# KiCad board PC110.kicad_pcb (continued)
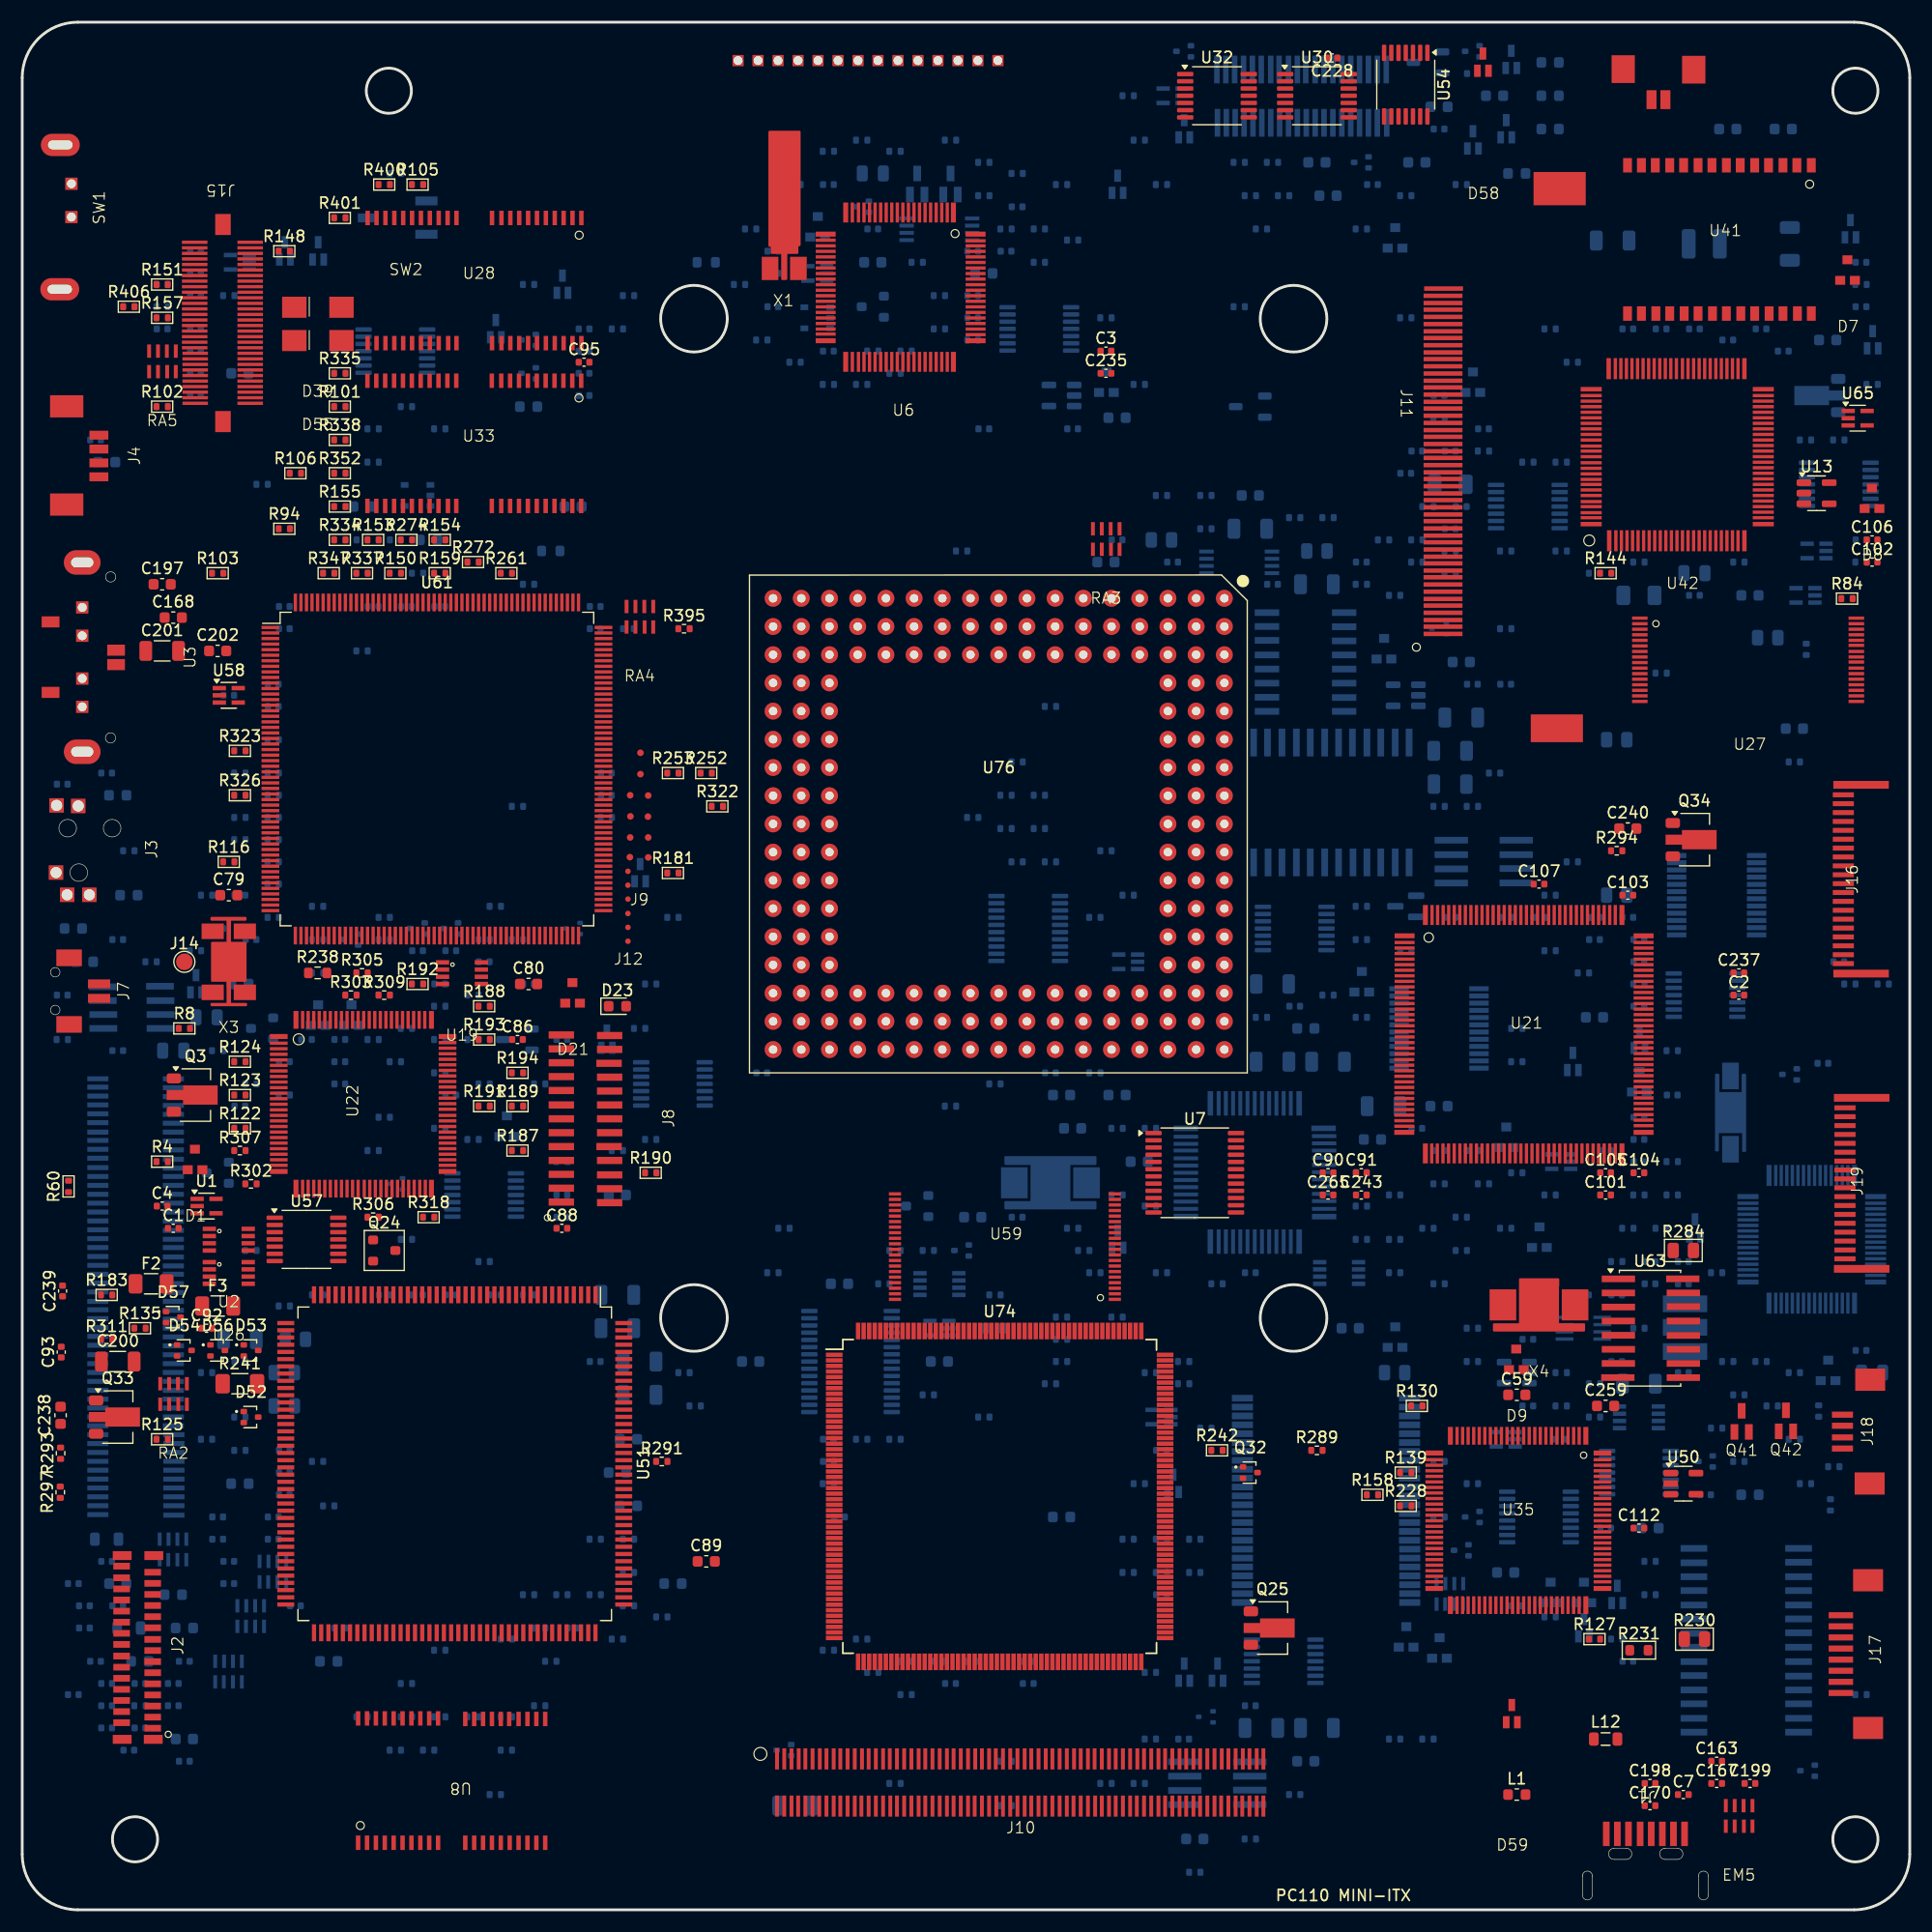
[diagram p0: board, top side]
## Nets (continued)
RAM_A10: J15.16 R151.2 R345.1 U28.17 U33.17
RAM_A11: J15.15 R157.1 R335.1 U28.16 U33.16
RAM_ID0: J15.60 R158.1 U35.31
RAM_ID1: J15.31 R148.1 U35.32
RAMWE#: J15.50 R154.1 U28.14 U33.14
RESET: D18.1 D18.3 R110.1 U22.55 U51.159 U66.11 U74.7
RIOUT#: U39.6 U74.133
RTCBAT: C70.2 C80.1 C82.1 D21.2 R116.2 R119.2 R248.2 U19.8 U61.69
SA0: J11.39 U7.11 U21.55 U22.26 U35.8 U42.35 U59.21 U61.12 U74.161
SA1: J11.37 U4.42 U21.56 U22.27 U35.9 U36.13 U42.34 U59.20 U61.13 U74.162
SA2: J11.35 U4.43 U21.57 U22.28 U35.10 U36.12 U42.33 U59.19 U67.7 U74.164
SA3: U4.45 U21.58 U22.29 U35.11 U36.11 U59.18 U74.165
SA4: U4.46 U21.59 U22.30 U35.12 U36.10 U59.17 U74.167
SA5: U4.47 U21.60 U22.31 U35.15 U36.9 U59.16 U74.168
SA6: U4.48 U21.61 U22.32 U35.16 U36.8 U59.15 U74.169
SA7: U4.49 U21.62 U22.39 U35.17 U36.7 U59.14 U74.171
SA8: U4.50 U21.63 U22.40 U35.18 U36.6 U59.8 U74.173
SA9: U4.51 U21.65 U22.41 U35.19 U36.44 U59.7 U74.175
SA10: U21.66 U35.20 U36.43 U59.36 U74.176
SA11: U21.67 U35.21 U36.42 U59.6 U74.178
SA12: U21.68 U35.22 U36.41 U37.1 U59.5 U74.179
SA13: U21.69 U37.2 U59.4 U74.181
SA14: U21.70 U35.24 U59.3 U74.182
SA15: U21.71 U35.25 U59.2 U74.183
SD0: J11.41 R375.1 U21.96 U22.46 U35.33 U36.17 U42.22 U49.3 U59.25 U61.35 U67.3 U74.189
SD1: J11.43 R374.1 U21.95 U22.47 U35.34 U36.19 U42.21 U49.4 U59.26 U61.36 U67.2 U74.190
SD2: J11.45 R376.1 U21.94 U22.48 U35.35 U36.21 U42.19 U49.5 U59.27 U61.37 U67.1 U74.193
SD3: J11.3 R373.1 U21.93 U22.49 U35.36 U36.23 U42.18 U49.6 U59.28 U61.38 U67.64 U74.194
SD4: J11.5 R378.1 U21.92 U22.51 U35.39 U36.26 U42.17 U49.7 U59.32 U61.39 U67.63 U74.196
SD5: J11.7 R377.1 U21.91 U22.52 U35.40 U36.28 U42.16 U49.8 U59.33 U61.40 U67.62 U74.197
SD6: J11.9 R381.1 U21.89 U22.53 U35.41 U36.30 U42.14 U49.9 U59.34 U61.41 U67.61 U74.199
SD7: R380.1 U21.88 U22.54 U35.42 U36.32 U49.10 U59.35 U61.42 U67.60 U74.200
SD8: J11.44 U36.18 U42.9 U61.44 U74.143
SD9: J11.46 U36.20 U42.8 U61.45 U74.142
SD10: J11.48 U36.22 U42.7 U61.46 U74.141
SD11: J11.4 U36.24 U42.6 U61.47 U74.139
SD12: J11.6 U36.27 U42.4 U61.48 U74.137
SD13: J11.8 U36.29 U42.3 U61.49 U74.136
SD14: J11.10 U36.31 U42.2 U61.50 U74.135
SD15: J11.12 U36.33 U42.1 U61.51 U74.134
U8_1A3_KB_TP139: R283.2 U73.6
U8_2A1_KB_RXD: R38.2 U73.11
U21_97: R330.1 U21.97
U21_98: R355.2 U21.98
U21_101: R328.2 U21.101
U21_102: R339.1 U21.102
U21_103: R336.2 U21.103
U21_104: R351.2 U21.104
U21_105: R331.1 U21.105
U21_131: J5.27 U21.131
U21_139: D60.1 D60.2 R349.1 U21.139
U30_D0: R90.2 U30.2 U35.1
U53_2CLK: R82.1 U30.3 U35.3 U40.11
U54_1PRE#: U29.4 U54.4
U61_RAM_LCASL#: R272.1 U61.182
U61_RAM_LCASU#: R274.1 U61.184
U61_RAM_RAMWE#: R154.2 U61.180
U61_RAM_RAS0: R101.2 U61.203
U61_RAM_RAS2: R103.2 U61.201
U61_RAM_RAS3: R106.2 U61.200
U61_RAM_UCASL#: R159.2 U61.181
U61_RAM_UCASU#: R261.1 U61.183
U61_RTCBAT_470K: Q26.3 R248.1 U61.71
U71_OR1_IN2: U7.19 U71.2
U106_1CLK: R80.2 U6.11 U32.3
UNKNOWN1: U7.4 U61.60
UNKNOWN2: U7.5 U61.59
VGA_ADDHI: U21.124 U51.6
VGA_Blue: D54.3 J13.65 R264.1 U51.43
VGA_CLK: R350.1 U51.155
VGA_Green: D53.3 J13.67 R273.1 U51.44
VGA_HSync: D56.3 J13.36 R53.1
VGA_Red: D52.3 J13.69 R267.1 U51.46
VGA_VSync: D57.3 J13.33 R46.1
YellowWire1_2: Q15.1 R181.1
YMF_CLK: R353.2 U18.3
YMF_CS#_Buf: U4.14 U34.2 U64.12 U66.2
YMF_RD#_Buf: U34.5 U71.12 U72.18
YMF_SA0_A0: U4.41 U7.14 U34.12
YMF_VSS_Res: Q14.3 R119.1 U61.62
YMF_WR#_Buf: U34.9 U71.9 U72.17
Net-(C1--): C1.2 U2.1 U3.1
Net-(C4-+): C4.1 D1.1 D1.3 R4.1 U1.2
Net-(C7-+): C7.1 J1.7 L1.2
Net-(C10-+): C10.1 C23.1 L7.1
Net-(C10--): C10.2 C23.2 C154.2 R227.2 U47.1
Net-(C11-+): C11.1 C50.2 R72.1 U11.7
Net-(C12-+): C12.1 U4.1
Net-(C12--): C12.2 C24.2 U4.2
Net-(C13-+): C13.1 U48.6
Net-(C13--): C13.2 R217.2 R218.2 U47.3
Net-(C15--): C15.2 R25.2 R26.2 R32.2 R34.2 R35.2 U47.6
Net-(C18--): C18.2 R34.1
Net-(C20--): C20.2 C21.2 U4.8
Net-(C21-+): C21.1 U4.7
Net-(C22-+): C22.1 U4.10
Net-(C25-+): C25.1 Q6.3 R36.2
Net-(C30--): C30.2 C36.2 C48.1 L3.2 U51.158
Net-(C46-+): C46.1 Q3.3 R76.1
Net-(C46--): C46.2 Q4.2 R76.2
Net-(C47-+): C47.1 L4.1 Q5.3
Net-(C49--): C49.2 Q3.2 R68.2
Net-(C60-Pad1): C60.1 C63.2
Net-(C65-+): C65.1 C67.1
Net-(C85-+): C85.1 R24.1 R121.1 U12.4
Net-(C85--): C85.2 J7.2 R121.2 U12.5
Net-(C89--): C89.2 J8.18
Net-(C92--): C92.2 F3.1 J13.16 L12.1 RA2.1 RA2.2 RA2.3 RA2.4
Net-(C129-+): C129.1 C272.1 F4.2 J11.25 J11.26
Net-(C135-+): C135.1 D35.1 D35.3 R200.1 U75.16
Net-(C147-+): C147.1 U48.1
Net-(C147--): C15.1 C147.2 R25.1 U47.7
Net-(C150-+): C150.1 U4.4
Net-(C150--): C150.2 R221.1 R225.1
Net-(C153-Pad1): C153.1 R37.2 R217.1
Net-(C154-+): C154.1 R220.1 R227.1 U47.2
Net-(C160--): C160.2 C166.1 R224.1 U4.11
Net-(C162-+): C162.1 R222.2 R225.2
Net-(C163--): C163.2 EM5.3 J1.6
Net-(C164-Pad2): C164.2 R220.2
Net-(C167--): C167.2 EM5.4 J1.2
Net-(C168--): C168.2 U3.3
Net-(C170-+): C170.1 EM5.1 J1.5
Net-(C171-+): C171.1 J2.6 L16.1
Net-(C176-+): C176.1 C188.1 J2.4 L9.1 R234.2
Net-(C177--): C177.2 J2.27 L18.1
Net-(C189--): C189.2 J2.2 L14.1
Net-(C192-+): C192.1 J2.26 L11.2
Net-(C193-+): C193.1 J2.5 R234.1
Net-(C195--): C195.2 J2.29 L17.2
Net-(C197--): C197.2 U3.5
Net-(C198-+): C198.1 J1.4 L12.2
Net-(C199-+): C199.1 EM5.2 J1.3
Net-(C200--): C200.2 R241.1 U3.8
Net-(C201-+): C201.1 C202.2 R238.1 U3.6
Net-(C206--): C45.1 C206.2 C210.2 L6.1 U51.157
Net-(C207-+): C207.1 R71.2
Net-(C213-Pad2): C213.2 C214.2 R250.1
Net-(C224--): C224.2 D47.1 R281.1 U55.2
Net-(C225-+): C225.1 D45.3 D46.3 D49.3 Q30.1 R276.2
Net-(C225--): C29.2 C225.2 Q30.2
Net-(C227--): C227.2 D9.2 Q31.3 R79.1 R275.1 R284.1 U63.10 U63.16
Net-(C228-+): C228.1 Q30.3 R282.1 U54.1
Net-(C229--): C229.2 R235.1 U54.13
Net-(C230--): C230.2 C257.2 U63.2 X4.2
Net-(C232--): C232.2 C258.2 C259.2 C260.2 R284.2 U63.4 U63.13
Net-(C233-+): C233.1 Q29.1 U53.5
Net-(C234--): C234.2 Q29.2 R285.1 U53.2
Net-(C238-+): C238.1 Q33.1 R293.1 R297.2
Net-(C238--): C93.1 C238.2 C239.2 J13.13 J13.88 J13.89 Q33.2
Net-(C240-+): C240.1 Q34.1 R294.2
Net-(C240--): C240.2 F3.2 Q34.2
Net-(C245--): C245.2 D22.2 F1.1 Q5.1
Net-(C246-+): C246.1 D20.1 Q36.3 R327.1 U59.11
Net-(C257-+): C257.1 C261.1 U63.3 X4.1
Net-(C264--): C264.2 U67.22 X5.2
Net-(C266-Pad1): C266.1 C269.2
Net-(C266-Pad2): C266.2 R362.2
Net-(C268--): C268.2 U67.23 X5.1
Net-(C270-Pad1): C270.1 U64.11
Net-(C281--): C281.2 U75.26 X6.1
Net-(C283-+): C283.1 U75.27 X6.2
Net-(D1-K): D1.2 R4.2 U2.3
Net-(D2-A): D2.2 R3.1
Net-(D2-common): D2.3 Q2.1 R12.1
Net-(D2-K): D2.1 R12.2 U51.48
Net-(D3-K): D3.2 U5.6
Net-(D5-K): D5.2 Q6.2 R71.1 R74.1 R78.2
Net-(D7-K): D7.3 L4.2 Q4.3
Net-(D10-A): D10.2 D13.1
Net-(D10-K): C58.2 D10.1 U14.5 U15.5
Net-(D14-Pad2): D14.2 R93.1
Net-(D15-Pad2): D15.2 R95.1
Net-(D16-K): D16.2 U14.4
Net-(D17-Pad2): D17.2 U39.3
Net-(D17-Pad3): D17.3 R254.2
Net-(D18-K): D18.2 U14.2 U15.4
Net-(D19-Pad1): D19.1 D19.2 R112.2 U24.2
Net-(D21-A-Pad3): D21.3 R31.1
Net-(D22-A-Pad1): D22.1 D22.3 R313.2
Net-(D23-K): D21.1 D23.1 R308.1
Net-(D24-K): D24.2 R132.2 R136.2 R137.2 R141.2
Net-(D25-K): D25.2 R133.2 R138.2 R140.1 R142.2 R143.1
Net-(D32-A): D32.2 R129.1
Net-(D32-common): D32.3 Q18.1 R180.1
Net-(D33-Pad3): D33.3 R114.2
Net-(D36-K): D36.1 L14.2 R236.2
Net-(D38-A): D38.2 Q21.3
Net-(D38-K): D38.1 R232.2
Net-(D39-A): D39.2 D55.2 J13.46 J13.48
Net-(D41-K): D41.1 R260.1 R266.2 R271.2 U50.2
Net-(D42-Pad1): D42.1 D42.2 D43.1 D43.2 R287.1 U52.2
Net-(D42-Pad3): D42.3 U5.4
Net-(D43-Pad3): D43.3 U5.2
Net-(D44-A): D44.2 D45.1
Net-(D46-Pad2): D46.2 R286.1
Net-(D48-A): D45.2 D48.2
Net-(D50-A): D49.1 D50.2
Net-(D51-A): D49.2 D51.2
Net-(D58-K): D58.1 R308.2
Net-(J1-GND-Pad1): J1.1 R231.2
Net-(J1-GND-Pad8): J1.8 R230.2
Net-(J2-Pin_1): J2.1 J2.7 J2.16 J2.25 J2.28 J2.30 L10.1
Net-(J3-G): J3.3 L2.2
Net-(J3-MO): C148.2 J3.5 L8.2
Net-(J3-SI): C165.1 J3.2 L7.2
Net-(J3-SO): C159.2 J3.1 L5.1
Net-(J5-Pin_17): J5.17 U54.2 U54.6
Net-(J6-Pin_1): F1.2 J6.1
Net-(J7-Pin_1): J7.1 U12.8
Net-(J8-DRT1#): J8.6 U64.8
Net-(J8-RTS1#): J8.9 U64.6
Net-(J8-TXD1): J8.11 U64.3
Net-(J11-CE1#): J11.13 R361.1 R366.1 U42.37
Net-(J11-CE2#): J11.14 R360.1 R367.1 U42.39
Net-(J11-CSEL#): J11.28 R145.2
Net-(J11-IOR#): J11.18 R295.1 R301.2
Net-(J11-IOW#): J11.20 R290.2 R299.1
Net-(J13-FDD_DRATE0): J13.96 U57.3
Net-(J13-FDD_DRATE1): J13.3 U57.11
Net-(J13-Modem_ADCK#): J8.21 J13.59
Net-(J13-Modem_IRQ1#): J8.20 J13.60
Net-(J13-Modem_RSRVD1): J8.24 J13.42
Net-(J13-Modem_RSRVD2): J8.23 J13.41
Net-(J13-Modem_S11): J8.22 J13.58
Net-(J13-Modem_VPDA#): J8.19 J13.52
Net-(J13-RXD2): J13.18 R135.1 U26.5
Net-(J13-TXD2): J13.19 U26.6
Net-(J15-RAS2): J15.11 R102.2 R103.1
Net-(J15-RAS3): J15.49 R94.2 R106.1
Net-(L5--): C16.1 L5.2 R24.2
Net-(L8-+): L8.1 R30.1
Net-(L9--): L9.2 Q1.3 R3.2 R236.1
Net-(L11-+): L11.1 R14.2
Net-(L13-+): L13.1 R221.2
Net-(L15--): L15.2 Q20.3 R239.1 R240.1
Net-(L17-+): L17.1 R20.2
Net-(L18--): L18.2 R17.2
Net-(Q1-B): Q1.1 R9.2
Net-(Q2-C): Q2.3 R9.1
Net-(Q5-B): Q5.2 R111.1
Net-(Q7-B): Q7.1 R87.1
Net-(Q7-C): C98.1 Q7.3 R146.2 U30.13
Net-(Q9-B): Q9.1 R107.1
Net-(Q9-C): Q9.3 R99.1
Net-(Q9-E): D14.1 Q9.2
Net-(Q10-B): Q10.1 R97.1
Net-(Q10-C): Q10.3 R100.1
Net-(Q10-E): D15.1 Q10.2
Net-(Q11-B): Q11.1 R93.2 R99.2
Net-(Q12-B): Q12.1 R85.2
Net-(Q13-B): Q13.1 R95.2 R100.2
Net-(Q14-B): Q14.1 R114.1
Net-(Q15-C): Q15.3 R111.2
Net-(Q16-B): Q16.1 R185.2
Net-(Q17-B): Q17.3 U6.39
Net-(Q18-C): Q18.3 R185.1
Net-(Q19-B): Q19.1 R399.1
Net-(Q19-C): Q19.3 R410.2
Net-(Q20-B): Q20.1 R232.1
Net-(Q21-B): Q21.1 Q23.1 R237.2
Net-(Q22-B): Q22.2 Q23.3 R240.2
Net-(Q22-C): Q22.3 R239.2
Net-(Q24-C): Q24.3 R238.2
Net-(Q25-B): Q25.1 R242.1
Net-(Q25-C): Q25.2 R241.2
Net-(Q26-B): Q26.1 R254.1
Net-(Q27-B): Q27.1 R262.2
Net-(Q28-B): Q28.1 R260.2 U50.1
Net-(Q31-B): Q31.1 U66.13
Net-(Q32-B): Q32.1 R289.2
Net-(Q32-C): Q32.3 R291.1
Net-(Q33-E): F2.1 Q33.3 R293.2
Net-(Q35-B): Q35.1 R321.2
Net-(Q35-C): Q35.3 R320.1
Net-(Q36-B): Q36.1 R320.2
Net-(Q37-B): Q37.1 R368.1
Net-(Q38-B): C277.2 Q38.1 R382.2
Net-(Q38-C): Q38.3 R216.2 U35.45 U38.1
Net-(Q39-C): Q39.2 R388.2
Net-(Q40-C): Q40.2 R386.2
Net-(Q43-B): Q43.1 R392.1
Net-(Q43-C): Q43.3 R412.2
Net-(Q44-B): Q44.1 R398.1
Net-(Q44-C): Q44.3 R409.2
Net-(R67-Pad1): R67.1 R73.2 U11.1
Net-(R268-Pad2): R268.2 U52.4
Net-(R289-Pad1): R289.1 U20.2
Net-(R291-Pad2): R291.2 R297.1
Net-(R321-Pad1): R321.1 U60.4
Net-(R332-Pad1): R332.1 R340.1 U62.8
Net-(R341-Pad2): R341.2 R348.2 U62.6
Net-(R344-Pad1): R344.1 R353.1 U62.11
Net-(R350-Pad2): R350.2 U62.3
Net-(R357-Pad1): R357.1 U62.2 U62.5 U62.12
Net-(R358-Pad1): R358.1 U62.9
Net-(R368-Pad2): R368.2 U65.4
Net-(R370-Pad2): R370.2 U66.10
Net-(RA1-R1.1): D26.1 D26.3 RA1.1 U35.69
Net-(RA1-R2.1): D28.1 D28.3 RA1.2 U35.68
Net-(RA1-R3.1): D27.1 D27.3 RA1.3 U35.71
Net-(RA1-R4.1): D29.1 D29.3 RA1.4 U35.70
Net-(RA3-R1.1): RA3.1 U76.A5
Net-(RA3-R2.1): RA3.2 U76.H3
Net-(RA3-R3.1): RA3.3 U76.F1
Net-(RA3-R4.1): RA3.4 U76.N3
Net-(RA4-R1.1): RA4.1 U76.S2
Net-(RA4-R2.1): RA4.2 U76.S1
Net-(RA4-R3.1): RA4.3 U76.R1
Net-(RA4-R4.1): RA4.4 U76.P2
Net-(SW1-B): R277.1 R280.1 SW1.2
Net-(SW2-B): R382.1 R383.2 SW2.2
Net-(U1-Pad4): U1.4 U2.2
Net-(U2-Pad7): U2.7 U57.9
Net-(U3-IRDA_TXD): R8.2 U3.7
Net-(U4-CMR): C152.1 C155.2 C161.1 R226.1 U4.6
Net-(U4-IOR): U4.37 U71.11
Net-(U4-IOW): U4.38 U71.8
Net-(U4-REF): R23.1 U4.52
Net-(U4-RESET): U4.39 U20.5
Net-(U4-VCC_Bus): C213.1 U4.44 U49.24
Net-(U4-Xin): C52.1 R70.2 U4.34 X2.1
Net-(U4-Xout): C53.2 U4.35 X2.2
Net-(U6-P02): R336.1 U6.52
Net-(U6-P03): R339.2 U6.51
Net-(U6-P04): R328.1 U6.50
Net-(U6-P05): R354.1 U6.49
Net-(U6-P06): R355.1 U6.48
Net-(U6-P10): R413.2 U6.46
Net-(U6-P11): R167.2 U6.45
Net-(U6-P12): R407.1 U6.44
Net-(U6-P13): R390.2 U6.43
Net-(U6-P16): R86.2 U6.40
Net-(U6-P22): R89.2 U6.36
Net-(U6-P23): R283.1 U6.35
Net-(U6-P40): R42.2 U6.24
Net-(U6-P45): R38.1 U6.19
Net-(U6-P51): R39.1 U6.15
Net-(U6-P57): D60.3 U6.9
Net-(U6-SEG00): R331.2 U6.54
Net-(U6-SEG01): R351.1 U6.53
Net-(U6-SEG07): R330.2 U6.47
Net-(U6-VL1): R43.2 R63.2 U6.80
Net-(U6-VL2): R43.1 R62.1 U6.79
Net-(U6-VL3): R52.1 R62.2 U6.78
Net-(U6-Xin): C28.1 U6.28 X1.1
Net-(U6-Xout): R40.1 U6.29
Net-(U8-LCAS#): R58.2 U8.29
Net-(U8-RAS#): R21.1 U8.14
Net-(U8-UCAS#): R51.2 U8.28
Net-(U8-WE#): R16.1 U8.13
Net-(U10-AO): R77.1 U10.4 U34.11
Net-(U10-CS#): R244.2 U10.7 U34.3
Net-(U10-D0): R64.2 U4.23 U10.10 U49.22
Net-(U10-D1): R54.2 U4.24 U10.11 U49.21
Net-(U10-D2): R47.2 U4.25 U10.13 U49.20
Net-(U10-D3): R50.2 U4.28 U10.14 U49.19
Net-(U10-D4): R65.2 U4.29 U10.15 U49.18
Net-(U10-D5): R55.1 U4.30 U10.16 U49.17
Net-(U10-D6): R48.1 U4.31 U10.17 U49.16
Net-(U10-D7): R56.1 U4.32 U10.18 U49.15
Net-(U10-M): R92.2 U10.24
Net-(U10-MO): U10.21 U46.7
Net-(U10-RD#): R243.2 U10.6 U34.6
Net-(U10-SH): U10.20 U46.4
Net-(U10-SY): U10.23 U46.10
Net-(U10-WR#): R245.2 U10.5 U34.8
Net-(U11A-+): C214.1 R75.1 U11.3
Net-(U11A--): R67.2 U11.2 U46.16
Net-(U11B-+): C44.2 R69.2 U11.5
Net-(U11B--): R72.2 U11.6
Net-(U11C-V+): C157.1 C209.1 R256.1 U11.8 U46.1
Net-(U11C-V-): C157.2 C209.2 R250.2 U11.4 U46.12
Net-(U12-Bypass): C54.1 U12.2 U12.3
Net-(U12-~{SD}): C248.2 D40.3 R247.1 U12.1
Net-(U13-CD): C60.2 D8.3 U13.5
Net-(U13-OUT): R83.1 U13.1 U15.2
Net-(U13-VDD): C55.2 D8.1 D11.1 R84.1 U13.2
Net-(U16-CD): C59.1 D9.3 U16.5
Net-(U16-OUT): R91.1 U16.1 U63.9
Net-(U16-VDD): C56.1 D9.1 R79.2 U16.2
Net-(U17-CD): C57.2 D12.3 U17.5
Net-(U17-OUT): U17.1 U20.3
Net-(U18A-D): U18.2 U18.6 U18.11
Net-(U18B-D): R92.1 U18.8 U18.12
Net-(U20-Pad6): U20.6 U57.1 U57.13 U71.3
Net-(U21-Chipset_IO3): R149.1 U21.39
Net-(U21-CPUCLK): R257.1 U21.38
Net-(U21-PSU_IO2): R104.1 U21.138
Net-(U21-PWRGD_IN): U9.4 U21.141
Net-(U22-IOW#): U22.43 U25.4
Net-(U23-Pad4): U23.4 U25.1
Net-(U27-MA0): U27.20 U42.74
Net-(U27-MA1): U27.19 U42.75
Net-(U27-MA2): U27.18 U42.76
Net-(U27-MA3): U27.17 U42.77
Net-(U27-MA4): U27.16 U42.78
Net-(U27-MA5): U27.15 U42.79
Net-(U27-MA6): U27.14 U42.80
Net-(U27-MA7): U27.13 U42.81
Net-(U27-MA8): U27.3 U42.83
Net-(U27-MA9): U27.2 U42.84
Net-(U27-MA10): U27.31 U42.85
Net-(U27-MA11): U27.1 U42.86
Net-(U27-MA12): U27.12 U42.87
Net-(U27-MA13): U27.4 U42.89
Net-(U27-MA14): U27.5 U42.90
Net-(U27-MA15): U27.11 U42.91
Net-(U27-MD0): U27.21 U42.92
Net-(U27-MD1): U27.22 U42.93
Net-(U27-MD2): U27.23 U42.95
Net-(U27-MD3): U27.25 U42.96
Net-(U27-MD4): U27.26 U42.97
Net-(U27-MD5): U27.27 U42.98
Net-(U27-MD6): U27.28 U42.99
Net-(U27-MD7): U27.29 U42.100
Net-(U27-ROMCEL0#): U27.30 U42.71
Net-(U27-ROMOEL#): U27.32 U42.72
Net-(U27-ROMWEL#): R131.2 R134.1 U27.7 U42.73
Net-(U28-RAS#): R101.1 R105.2 U28.15 U33.15
Net-(U30A-~{Q}): R146.1 U30.6
Net-(U30B-C): U5.12 U30.11
Net-(U30B-Q): D17.1 U30.9 U32.11
Net-(U30B-~{Q}): U29.1 U30.8
Net-(U31-CD): C100.1 D34.3 U31.5
Net-(U31-VDD): C97.1 D34.1 R195.2 U31.2
Net-(U32A-Q): D30.3 U32.5
Net-(U32A-~{Q}): U29.2 U32.6
Net-(U32B-Q): D31.3 U32.9
Net-(U35-FF_2D): R186.1 U35.2 U40.12
Net-(U35-FF_2Q#): U35.90 U40.1 U45.12
Net-(U35-Pluto_55): R398.2 U35.55
Net-(U35-Pluto_56): R392.2 U35.56
Net-(U35-Pluto_57): R399.2 U35.57
Net-(U35-PNET7_SENSE): R304.1 U35.74
Net-(U35-SA13): U35.23 U37.4
Net-(U38-Pad5): U9.2 U38.5
Net-(U40A-C): U38.7 U39.2 U40.3
Net-(U40A-~{Q}): C125.2 U39.1 U40.6
Net-(U40B-~{Q}): U40.8 U45.11
Net-(U41-Cext2): C141.1 U41.20
Net-(U41-Cext3): C143.1 U41.21
Net-(U41-Cext4): C142.1 C144.2 U41.22
Net-(U41-Cext5): C141.2 C145.2 U41.23
Net-(U41-Cext6): C146.1 U41.24
Net-(U41-Cext7): C142.2 U41.25
Net-(U41-Cext8): C143.2 U41.26
Net-(U41-Cext9): C146.2 U41.27
Net-(U41-CS): U41.7 U42.55
Net-(U41-PD): U41.4 U42.57
Net-(U41-SCLK1): U41.5 U42.53
Net-(U41-SI0): U41.1 U42.59
Net-(U41-SI1): U41.2 U42.58
Net-(U41-SO0): U41.13 U42.62
Net-(U41-SO1): U41.17 U42.60
Net-(U42-C_EXT): R362.1 R371.2 U42.12
Net-(U42-IO0): U42.66 U65.1
Net-(U42-IORD): R296.2 R301.1 U42.42 U56.3
Net-(U42-IOWR): R290.1 R298.1 U42.43 U56.6
Net-(U42-RC_IN): R371.1 U42.11
Net-(U44A-+): R207.1 R210.1 U44.3
Net-(U44A--): C137.1 R211.1 R214.1 U44.2
Net-(U44B-+): R208.1 R209.1 U44.5
Net-(U44B--): C138.1 R212.1 R213.1 U44.6
Net-(U45A-A): U35.46 U35.78 U45.1
Net-(U45A-Cext): C130.2 U45.14
Net-(U45A-Q): D33.2 U45.13
Net-(U45A-RCext): C130.1 R182.2 U45.15
Net-(U45B-B): U39.7 U45.10
Net-(U45B-Q): D33.1 U45.5
Net-(U45B-RCext): C140.1 R215.1 U45.7
Net-(U46-RB): R75.2 U46.14
Net-(U46-toBUFF): R69.1 U46.2
Net-(U47B-+): C158.2 R27.1 R33.1 U47.5
Net-(U49-A8): R219.2 U49.11
Net-(U49-B8): R223.1 U49.14
Net-(U49-DIR): R364.2 R370.1 U49.2
Net-(U49-G#): C270.2 D3.1 D3.3 R258.2 U49.23
Net-(U51-CASAH#): R51.1 U51.112
Net-(U51-CASAL#): R58.1 U51.113
Net-(U51-CCLK): R255.2 U51.35
Net-(U51-FLM): R14.1 U51.53
Net-(U51-HSYNC): R53.2 U51.51
Net-(U51-IO0): R11.1 U8.2 U51.114
Net-(U51-IO1): R1.2 U8.3 U51.116
Net-(U51-IO2): R10.2 U8.4 U51.117
Net-(U51-IO3): R6.2 U8.5 U51.119
Net-(U51-IO4): R7.2 U8.7 U51.120
Net-(U51-IO5): R13.2 U8.8 U51.121
Net-(U51-IO6): R5.2 U8.9 U51.122
Net-(U51-IO7): R2.2 U8.10 U51.123
Net-(U51-IO8): R269.1 U8.31 U51.124
Net-(U51-IO9): R259.1 U8.32 U51.125
Net-(U51-IO10): R61.2 U8.33 U51.126
Net-(U51-IO11): R18.1 U8.34 U51.127
Net-(U51-IO12): R15.1 U8.36 U51.128
Net-(U51-IO13): R22.2 U8.37 U51.129
Net-(U51-IO14): R233.1 U8.38 U51.130
Net-(U51-IO15): R19.2 U8.39 U51.131
Net-(U51-LP): R17.1 U51.54
Net-(U51-OEL#): R263.1 U51.38
Net-(U51-P0): EM1.5 U51.57
Net-(U51-P1): EM1.6 U51.58
Net-(U51-P2): EM1.7 U51.60
Net-(U51-P3): EM1.8 U51.61
Net-(U51-P4): EM3.5 U51.63
Net-(U51-P5): EM3.6 U51.64
Net-(U51-P6): EM3.7 U51.65
Net-(U51-P7): EM3.8 U51.66
Net-(U51-P8): EM2.5 U51.67
Net-(U51-P9): EM2.6 U51.68
Net-(U51-P10): EM2.7 U51.69
Net-(U51-P11): EM2.8 U51.70
Net-(U51-P12): EM4.5 U51.71
Net-(U51-P13): EM4.6 U51.72
Net-(U51-P14): EM4.7 U51.73
Net-(U51-P15): EM4.8 U51.74
Net-(U51-RASA#): R21.2 U51.110
Net-(U51-RSET): R66.2 U51.41
Net-(U51-SA0): R265.1 U8.16 U51.100
Net-(U51-SA1): U8.17 U51.101
Net-(U51-SA2): U8.18 U51.102
Net-(U51-SA3): U8.19 U51.103
Net-(U51-SA4): U8.22 U51.104
Net-(U51-SA5): R270.1 U8.23 U51.105
Net-(U51-SA6): U8.24 U51.106
Net-(U51-SA7): U8.25 U51.107
Net-(U51-SA8): R279.1 U8.26 U51.108
Net-(U51-SHFCLK): R20.1 U51.56
Net-(U51-VSYNC): R46.2 U51.50
Net-(U51-WEA#): R16.2 U51.111
Net-(U54A-C): U5.10 U54.3
Net-(U54B-C): U5.8 U54.11
Net-(U54B-Q): R286.2 U54.9
Net-(U55-OUT): R278.1 U5.9 U55.1
Net-(U56-Pad2): U56.2 U56.5 U68.3
Net-(U59-RP#): D20.3 R113.2 U59.10
Net-(U59-WE#): U24.4 U59.9
Net-(U61-CPUCLK33): R251.2 U61.127
Net-(U61-IOR#): R326.1 U61.29
Net-(U61-IOW#): R318.2 U61.30
Net-(U61-MEMR#): R322.2 U61.18
Net-(U61-MEMW#): R324.2 U61.19
Net-(U61-PS/RCLR#): C79.1 R116.1 U61.66
Net-(U61-PWRGD): R96.2 U19.2 U61.72
Net-(U61-PWRGD_P13): R49.1 U7.6 U61.58
Net-(U61-RAMA0): R346.2 U61.199
Net-(U61-RAMA1): R338.2 U61.198
Net-(U61-RAMA2): R342.2 U61.197
Net-(U61-RAMA3): R337.2 U61.195
Net-(U61-RAMA4): R334.2 U61.194
Net-(U61-RAMA5): R333.2 U61.193
Net-(U61-RAMA6): R343.2 U61.192
Net-(U61-RAMA7): R352.2 U61.191
Net-(U61-RAMA8): R347.2 U61.189
Net-(U61-RAMA9): R329.2 U61.188
Net-(U61-RAMA10): R345.2 U61.187
Net-(U61-RAMA11): R335.2 U61.186
Net-(U61-RESET): U58.2 U61.55
Net-(U61-RTCOSCI): C251.2 U61.68 X3.1
Net-(U61-RTCOSCO): C250.2 U61.67 X3.4
Net-(U61-TP1): J14.1 U61.57
Net-(U61-UNKNOWN3): R246.2 U61.81
Net-(U61-UNKNOWN4): R249.2 U61.79
Net-(U63-3XCPUCLK): R359.1 U63.14
Net-(U63-14.318MHz): R357.2 U63.11
Net-(U63-24MHz): R358.2 U63.6
Net-(U66-Pad1): U66.1 U66.8
Net-(U66-Pad4): U66.4 U66.9
Net-(U69-Pad5): U69.5 U69.7
Net-(U70-A_VCC3#): U70.6 U74.4
Net-(U70-A_VCC5#): U70.5 U74.5
Net-(U70-A_VPP_PGM): U70.3 U74.1
Net-(U70-A_VPP_VCC): U70.4 U74.2
Net-(U70-B_VCC3#): U70.26 U74.206
Net-(U70-B_VCC5#): U70.27 U74.207
Net-(U70-B_VPP_PGM): U70.29 U74.204
Net-(U70-B_VPP_VCC): U70.28 U74.205
Net-(U70-SHDN#): R363.1 U70.14
Net-(U72-A6): U69.3 U72.9
Net-(U74-CS#): U38.2 U74.208
Net-(U74-INTR#): R162.1 U74.203
Net-(U74-SYSCLK): R317.1 U74.163
Net-(U75-INT): R199.2 R204.1 U75.15
Net-(U75-P1B0): R197.1 R202.2 U75.17
Net-(U76-A30): R395.2 U76.P3
Net-(U76-CLK_CPU): R252.2 R253.1 U76.C3
Net-(X1--): C27.1 R40.2 X1.2

Pads without a net: C51 1; C131 1; C132 1; C134 2; D4 1; D6 1 3; D7 1 2; D10 3; D13 3; D58 3; D59 1 2 3; J2 31 32 33 34; J4 5 6; J5 6; J6 3 4; J7 3 4; J10 47 117; J11 22 30 36 38 51 52; J13 32 34 35 37 43 44 45 47 49; J15 61 62; J16 1 21 22; J17 9 10; J18 5 6; J19 1 19 20; Q28 3; Q37 2; R68 1; SW1 3; SW2 3; U1 1; U3 4 9 10; U4 3 12 13 15 17 19; U6 10 12 17 22 32 33 34 59 60; U7 20 21; U8 11 12 15 30; U10 2 8 9 19 22; U13 4; U14 1; U15 1; U16 4; U17 4; U18 5 9; U19 3; U21 132 135 137; U22 1 3 19 21 22 99; U23 1; U27 6 9 10; U28 11 12 13 33 34; U30 5; U31 4; U32 4 8; U33 11 12 13 33 34; U35 47 49 59 80 82 84 85 91 92 94 96 98 99 100; U36 1 2 3 34 46 47 48; U40 5 9; U41 9 10 11 14 28; U42 41 45 48 54 63 64 67 68 69; U45 4; U46 3 5 6 8 9 11 13 15; U48 3; U50 4 5; U51 39 55 75 76 78 79 80 81 156; U52 1; U53 4; U54 8; U55 4 5; U56 8 11; U58 1; U59 12 13 29 37 38; U61 16 17 31 32 63 64 74 80 142 143 202 204 205 206 207; U63 1 7; U68 6 8 11; U70 9 11 13 18 19 21 22; U71 6; U72 14; U74 152; U76 A3 A10 A12 A13 A14 B12 B13 B14 B15 B16 C11 C13 C14 D16 D17 J17 L15 N15 Q15 Q16 Q17 R8 R17 S4 S14; X1 3; X3 2 3 5

## Text on the board
F.Silkscreen: PC110 MINI-ITX
